# KiCad board SONATA-ONE.kicad_pcb (continued)
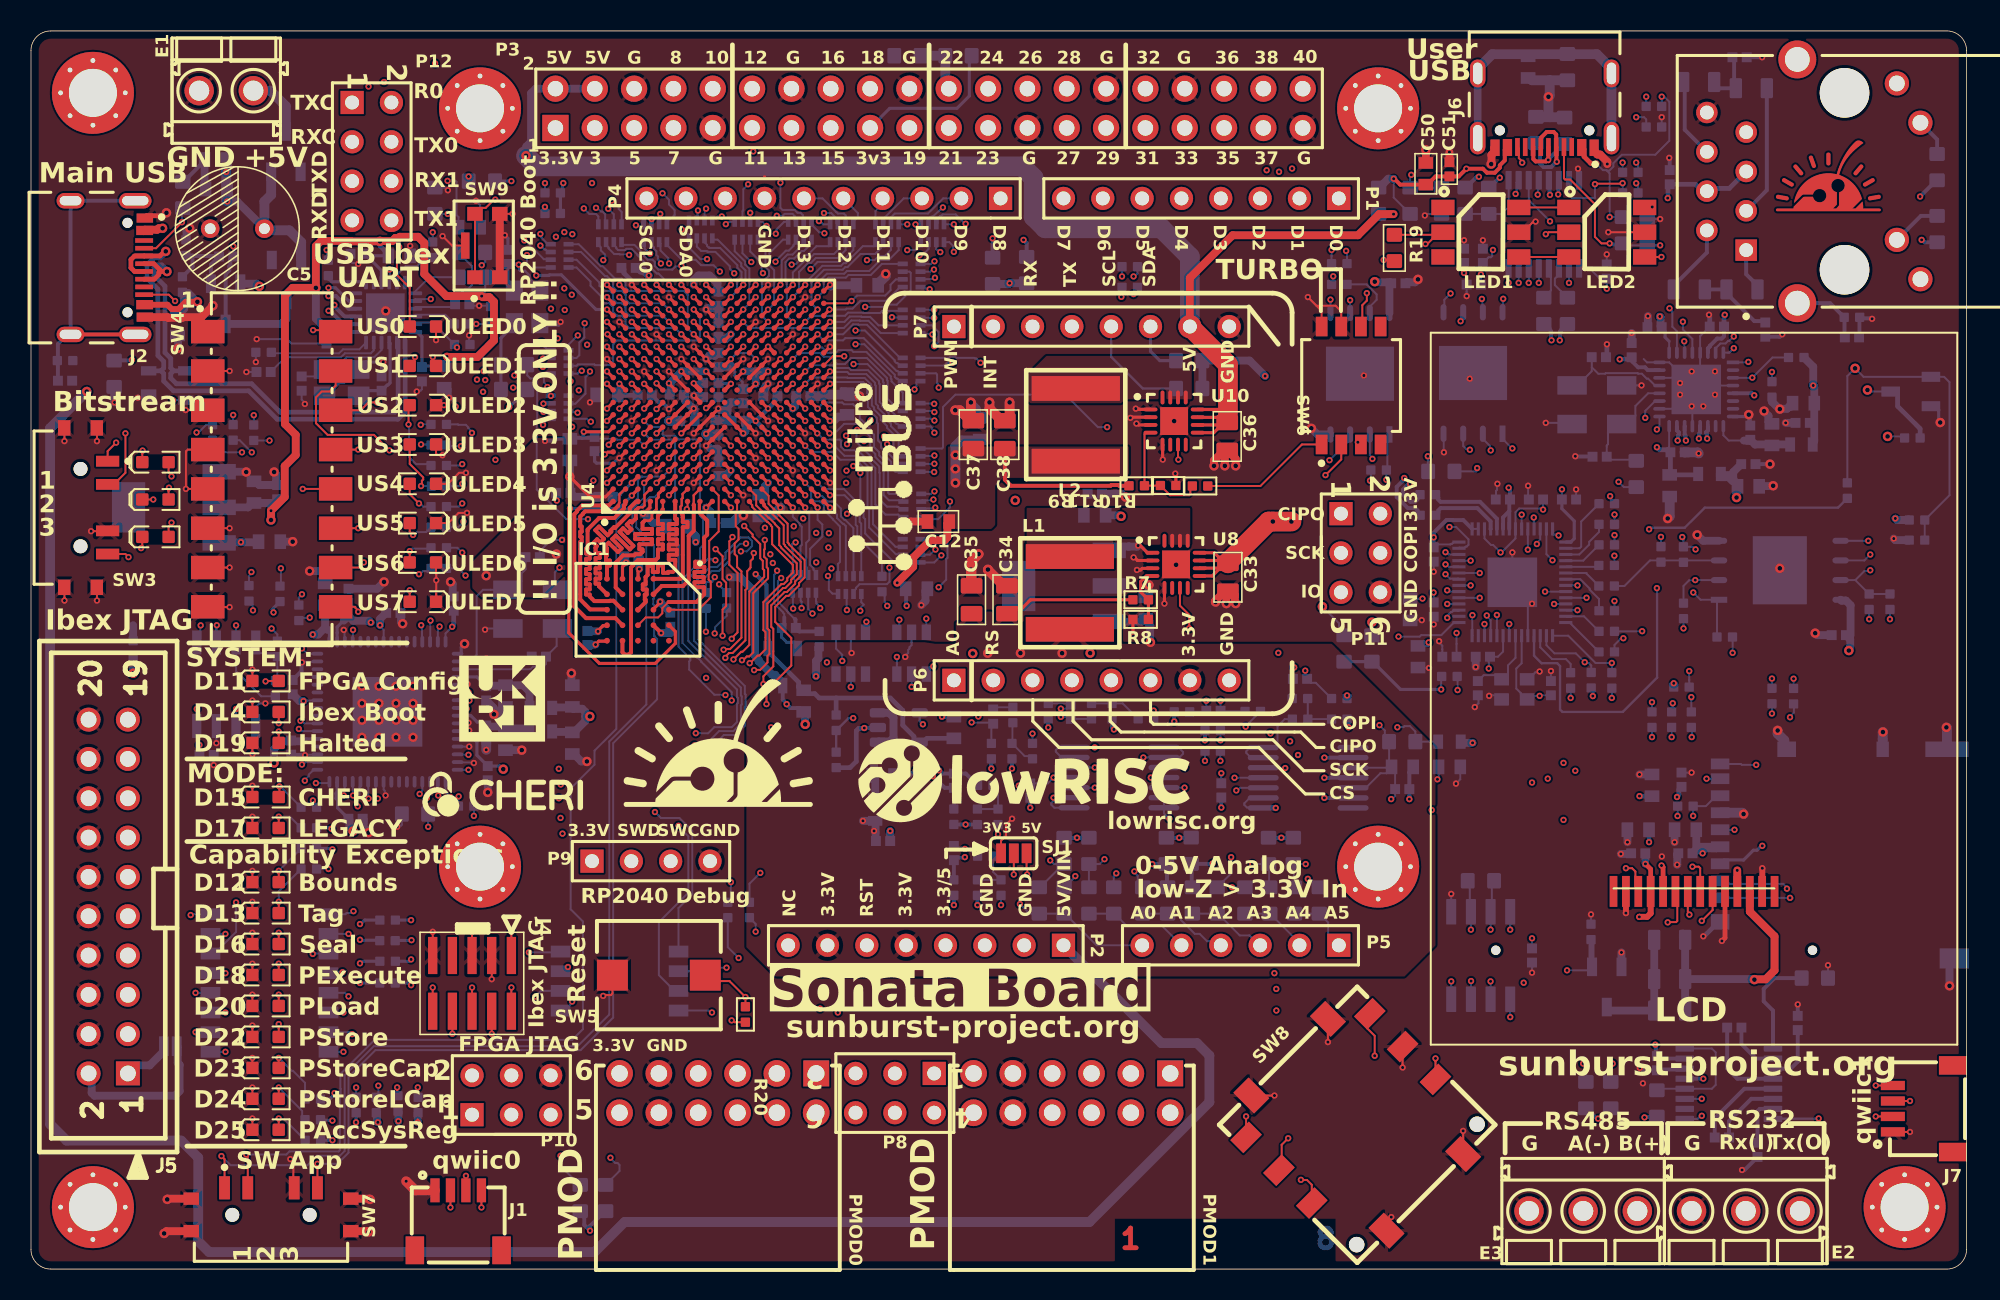
[diagram p0: board, top side]
## Nets (continued)
GND: C1.2 C2.2 C3.2 C5.2 C6.2 C7.2 C8.2 C9.2 C10.2 C11.2 C12.2 C13.2 C14.2 C15.2 C16.2 C17.2 C18.2 C19.2 C20.2 C21.2 C22.2 C23.2 C24.2 C25.2 C26.2 C27.2 C28.2 C29.2 C30.2 C31.2 C32.2 C33.2 C34.2 C35.2 C36.2 C37.2 C38.2 C39.2 C40.2 C41.2 C42.2 C43.2 C44.2 C45.2 C46.2 C47.2 C48.2 C50.2 C51.2 C52.2 C53.2 C54.2 C55.2 C56.2 C57.2 C58.2 C59.2 C62.2 C63.1 C64.1 C65.2 C66.2 C67.2 C68.2 C69.2 C70.2 C71.2 C72.2 C73.2 C74.2 C75.2 C76.2 C77.2 C78.2 C79.2 C80.2 C81.2 C82.2 C83.2 C84.2 C85.2 C86.2 C87.2 C88.2 C89.2 C90.2 C91.2 C92.2 C93.2 C94.2 C95.2 C96.2 C97.2 C99.2 C100.2 C101.2 C102.2 C108.2 C109.2 C110.2 C111.2 C112.2 C113.2 C114.2 C115.2 C116.2 C117.2 C118.2 C119.1 C120.2 C121.2 C122.2 C123.2 C124.2 C125.2 C126.2 C127.2 C128.2 C129.2 C130.2 C131.2 C132.2 C133.2 C134.2 C135.2 C136.2 C137.2 C138.2 C139.2 C141.2 C142.1 D3.K D4.K D5.K D6.K D7.K D8.K D9.K D10.K D11.K D12.K D13.K D14.K D15.K D16.K D17.K D18.K D19.K D20.K D22.K D23.K D24.K D25.K E1.A2 E2.A1 E3.A1 IC1.B3 IC1.C1 IC1.E5 J1.1 J2.A1-B12 J2.B1-A12 J3.8 J4.3 J4.5 J4.9 J5.4 J5.6 J5.8 J5.10 J5.12 J5.14 J5.16 J5.18 J5.20 J6.A1-B12 J6.B1-A12 J7.1 LCD1.2 LCD1.5 LCD1.13 LED1.5 LED2.5 P2.2 P2.3 P3.6 P3.9 P3.14 P3.20 P3.25 P3.30 P3.34 P3.39 P4.7 P6.8 P7.8 P9.4 P10.6 P11.6 PMOD0.5 PMOD0.11 PMOD1.5 PMOD1.11 Q2.2 Q3.2 Q4.1 Q5.1 R1.2 R3.2 R4.2 R8.2 R11.2 R13.2 R14.2 R16.2 R17.1 R24.2 R25.2 R28.2 R33.2 R35.1 R36.1 R38.2 R39.2 R43.2 R76.1 R80.2 R81.1 R87.1 R88.2 R90.1 R94.1 R95.2 R96.1 R101.1 R102.2 R103.1 R108.1 R109.2 R110.1 R115.1 R116.2 R117.1 R129.2 R133.2 R135.2 R167.1 R195.1 R205.2 R213.1 SD1.6 SD1.10 SD1.11 SD1.12 SD1.13 SD1.14 SW3.3 SW3.5 SW3.6 SW3.7 SW3.8 SW4.1 SW4.2 SW4.3 SW4.4 SW4.5 SW4.6 SW4.7 SW4.8 SW5.1 SW6.7 SW6.8 SW7.3 SW7.5 SW7.6 SW7.7 SW7.8 SW8.5 SW8.MP1 SW8.MP2 SW8.MP3 SW8.MP4 SW9.3 SW9.4 SW9.5 U1.1 U2.1 U3.5 U4.A2 U4.A12 U4.B5 U4.B15 U4.C8 U4.C18 U4.D1 U4.D11 U4.E4 U4.E14 U4.F7 U4.F9 U4.F11 U4.F17 U4.G8 U4.G10 U4.G12 U4.H3 U4.H7 U4.H9 U4.H11 U4.H13 U4.J6 U4.J8 U4.J12 U4.J16 U4.K7 U4.K11 U4.L2 U4.L8 U4.L12 U4.M5 U4.M7 U4.M9 U4.M11 U4.M15 U4.N8 U4.N10 U4.N12 U4.N18 U4.P1 U4.R4 U4.R14 U4.T7 U4.T17 U4.U10 U4.V3 U4.V13 U5.1 U5.5 U5.10 U5.11 U5.13 U5.15 U5.25 U5.35 U5.47 U5.51 U5.65 U6.4 U6.8 U6.13 U6.18 U6.22 U6.24 U6.29 U6.33 U7.14 U8.1 U8.2 U8.3 U8.5 U8.17 U9.1 U10.1 U10.2 U10.3 U10.5 U10.17 U11.19 U11.57 U12.25 U13.8 U14.3 U15.2 U16.5 U16.7 U17.4 U17.9 U18.4 U18.9 U19.4 U19.9 U20.11 U21.9 U21.11 U21.13 U22.2 U23.2 X1.2 X1.4 X2.2 X2.4 Y1.2 Y1.4 Y2.2 Y3.2 Y3.4
VCC1V8: C14.1 C15.1 C16.1 C17.1 C18.1 C19.1 C20.1 C31.1 C32.1 C53.1 C66.1 C67.1 C68.1 C123.1 C127.1 C131.1 C132.1 C133.1 IC1.B4 IC1.D1 IC1.E4 L8.1 R30.2 R32.2 R211.1 U4.A7 U4.C3 U4.D6 U4.E8 U4.F2 U4.F12 U4.G5 U4.H12 U4.J1 U4.K12 U4.M12 U6.5 U6.23 U6.25 U6.30 U9.2 U9.4 U13.9
VCC_1V8A: C124.1 C128.1 L8.2 U6.9
VCCINT: C6.1 C7.1 C8.1 C9.1 C10.1 C11.1 C12.1 C13.1 C37.1 C38.1 L2.2 R9.1 U4.F8 U4.F10 U4.G7 U4.G9 U4.G11 U4.H8 U4.J7 U4.J11 U4.K8 U4.L7 U4.L11 U4.M8 U4.M10 U4.N7 U4.N9 U4.N11
VCCOPAMP: C97.1 C99.1 C101.1 C102.1 R82.2 U20.4 U21.4 U21.10 U21.12
VCCUSB3V3: C40.1 C41.1 C42.1 C43.1 C44.1 C45.1 C46.1 R15.1 R18.1 R72.2 R203.2 U2.2 U2.4 U12.1 U12.9 U12.18
/AH_AN0: P5.6 P6.1 R75.1 R77.1
/AH_AN1: P5.5 R83.1 R84.1
/AH_AN2: P5.4 R89.1 R91.1
/AH_AN3: P5.3 R97.1 R98.1
/AH_AN4: P5.2 R104.1 R105.1
/AH_AN5: P5.1 R111.1 R112.1
/Analog Conversion/ANALOG0_N: C98.2 R81.2 U4.C5
/Analog Conversion/ANALOG0_P: C98.1 R79.2 U4.C6
/Analog Conversion/ANALOG1_N: C103.2 R90.2 U4.B6
/Analog Conversion/ANALOG1_P: C103.1 R86.2 U4.B7
/Analog Conversion/ANALOG2_N: C104.2 R96.2 U4.A5
/Analog Conversion/ANALOG2_P: C104.1 R93.2 U4.A6
/Analog Conversion/ANALOG3_N: C105.2 R103.2 U4.E5
/Analog Conversion/ANALOG3_P: C105.1 R100.2 U4.E6
/Analog Conversion/ANALOG4_N: C106.2 R110.2 U4.B4
/Analog Conversion/ANALOG4_P: C106.1 R107.2 U4.C4
/Analog Conversion/ANALOG5_N: C107.2 R117.2 U4.A3
/Analog Conversion/ANALOG5_P: C107.1 R114.2 U4.A4
/Analog Conversion/DIGITAL_ANALOG0: R77.2 U4.G13 U22.4
/Analog Conversion/DIGITAL_ANALOG1: R83.2 U4.D14 U22.6
/Analog Conversion/DIGITAL_ANALOG2: R89.2 U4.C14 U22.3
/Analog Conversion/DIGITAL_ANALOG3: R97.2 U4.C9 U22.1
/Analog Conversion/DIGITAL_ANALOG4: R104.2 U4.B9 U23.4
/Analog Conversion/DIGITAL_ANALOG5: R111.2 U4.B8 U23.6
/CHERIERR0: SW2.10
/CHERIERR1: SW2.9
/Debug USB and Power In/USB_N: J2.A7 J2.B7 U1.2 U12.19
/Debug USB and Power In/USB_P: J2.A6 J2.B6 U1.3 U12.20
/Debug USB and Power In/USB_VBUS: C1.1 J2.A4-B9 J2.B4-A9 Q1.2 R2.1 R12.2 R13.1 U1.4
/Ethernet MAC/ETHAVCC: C120.1 C126.1 C130.1 J3.4 J3.5 L9.2 U6.16
/Ethernet MAC/ETHCLK: R123.2 R124.1
/Ethernet MAC/ETHMAC_CIPO: U4.D4 U6.27
/Ethernet MAC/ETHMAC_COPI: U4.D5 U6.31
/Ethernet MAC/ETHMAC_CS: U4.H5 U6.26
/Ethernet MAC/ETHMAC_INTR: R211.2 U4.H6 U6.3
/Ethernet MAC/ETHMAC_LED0: R136.1 U6.1
/Ethernet MAC/ETHMAC_LED1: R137.1 U6.32
/Ethernet MAC/ETHMAC_RST: U4.J5 U6.19
/Ethernet MAC/ETHMAC_RX_N: J3.6 R204.2 U6.12
/Ethernet MAC/ETHMAC_RX_P: J3.3 R198.2 U6.11
/Ethernet MAC/ETHMAC_SCLK: U4.E3 U6.28
/Ethernet MAC/ETHMAC_TX_N: J3.2 R197.2 U6.15
/Ethernet MAC/ETHMAC_TX_P: J3.1 R196.2 U6.14
/FPGA Analog + 1.8V Bank/HYPERRAM_CK_N: IC1.B1 U4.G2
/FPGA Analog + 1.8V Bank/HYPERRAM_CK_P: IC1.B2 U4.H2
/FPGA Analog + 1.8V Bank/HYPERRAM_CS: IC1.A3 U4.J2
/FPGA Analog + 1.8V Bank/HYPERRAM_DQ0: IC1.D3 U4.B1
/FPGA Analog + 1.8V Bank/HYPERRAM_DQ1: IC1.D2 U4.E2
/FPGA Analog + 1.8V Bank/HYPERRAM_DQ2: IC1.C4 U4.H1
/FPGA Analog + 1.8V Bank/HYPERRAM_DQ3: IC1.D4 U4.A1
/FPGA Analog + 1.8V Bank/HYPERRAM_DQ4: IC1.D5 U4.E1
/FPGA Analog + 1.8V Bank/HYPERRAM_DQ5: IC1.E3 U4.B2
/FPGA Analog + 1.8V Bank/HYPERRAM_DQ6: IC1.E2 U4.C1
/FPGA Analog + 1.8V Bank/HYPERRAM_DQ7: IC1.E1 U4.D2
/FPGA Analog + 1.8V Bank/HYPERRAM_nRST: IC1.A4 U4.C2
/FPGA Analog + 1.8V Bank/HYPERRAM_RWDS: IC1.C3 U4.F1
/FPGA Analog + 1.8V Bank/MICROSD_DET: R166.1 SD1.9 U4.B3
/FPGA Analog + 1.8V Bank/NAVSW_0: SW8.1 U4.F5
/FPGA Analog + 1.8V Bank/NAVSW_1: SW8.4 U4.D8
/FPGA Analog + 1.8V Bank/NAVSW_2: SW8.2 U4.C7
/FPGA Analog + 1.8V Bank/NAVSW_3: SW8.3 U4.E7
/FPGA Analog + 1.8V Bank/NAVSW_4: SW8.6 U4.D7
/FPGA Analog + 1.8V Bank/SELSW0: SW7.1 U4.D3
/FPGA Analog + 1.8V Bank/SELSW1: SW7.2 U4.F4
/FPGA Analog + 1.8V Bank/SELSW2: SW7.4 U4.F3
/FPGA Analog + 1.8V Bank/USRUSB_OE: R30.1 U4.J3 U13.3
/FPGA Analog + 1.8V Bank/USRUSB_RCV: U4.J4 U13.4
/FPGA Analog + 1.8V Bank/USRUSB_SOFTCN: U4.H4 U13.2
/FPGA Analog + 1.8V Bank/USRUSB_SPD: U4.G1 U13.10
/FPGA Analog + 1.8V Bank/USRUSB_SUS: R32.1 U4.K2 U13.7
/FPGA Analog + 1.8V Bank/USRUSB_V_N: U4.F6 U13.6
/FPGA Analog + 1.8V Bank/USRUSB_V_P: U4.G6 U13.5
/FPGA Analog + 1.8V Bank/USRUSB_VBUSDETECT: R23.2 R25.1 U4.K1
/FPGA Analog + 1.8V Bank/USRUSB_VMO: U4.G3 U13.14
/FPGA Analog + 1.8V Bank/USRUSB_VPO: U4.G4 U13.13
/FPGA Analog + 1.8V Bank/XADC_VREF_N: C60.2 C140.2 R195.2 U4.J9
/FPGA Analog + 1.8V Bank/XADC_VREF_P: C60.1 C140.1 U4.K10 U14.2
/FPGA Config/CHA_TCK: SW1.3 U5.16
/FPGA Config/CHA_TDI: SW1.1 U5.17
/FPGA Config/CHA_TDO: SW1.2 U5.18
/FPGA Config/CHA_TMS: SW1.4 U5.19
/FPGA Config/FPGA_CCLK: R65.1 U4.E9
/FPGA Config/FPGA_DONE: R134.2 U4.P10 U11.9
/FPGA Config/FPGA_INITB: R5.2 U4.P7 U11.11
/FPGA Config/FPGA_PGMB: R6.2 U4.P9 U11.12
/FPGA Config/FPGA_TCK: P10.3 R119.2 SW1.6 U4.E10
/FPGA Config/FPGA_TDI: P10.1 R118.2 SW1.8 U4.E11
/FPGA Config/FPGA_TDO: P10.4 R120.2 SW1.7 U4.E13
/FPGA Config/FPGA_TMS: P10.5 R121.2 SW1.5 U4.E12
/FPGA Config/MAINCLK: R122.2 U4.P15
/FTDI Debug/CHB_GPIOL2: SW2.7 U5.33
/FTDI Debug/CHB_GPIOL3: SW2.8 U5.34
/FTDI Debug/CHB_nRST: SW2.5 U5.30
/FTDI Debug/CHB_nSRST: SW2.6 U5.32
/FTDI Debug/CHB_TCK: SW2.1 U5.26
/FTDI Debug/CHB_TDI: SW2.2 U5.27
/FTDI Debug/CHB_TDO: SW2.3 U5.28
/FTDI Debug/CHB_TMS: SW2.4 U5.29
/FTDI Debug/CHC_RXD: P12.3 U5.39
/FTDI Debug/CHC_TXD: P12.1 U5.38
/FTDI Debug/CHD_RXD: P12.7 U5.52
/FTDI Debug/CHD_TXD: P12.5 U5.48
/FTDI Debug/FTDI_N: U5.7 U12.2
/FTDI Debug/FTDI_NRST: R42.2 R73.2
/FTDI Debug/FTDI_P: U5.8 U12.3
/Header Pins/AH_TMPIO0: P1.1 R188.1B
/Header Pins/AH_TMPIO1: P1.2 R188.2B
/Header Pins/AH_TMPIO2: P1.3 R188.3B
/Header Pins/AH_TMPIO3: P1.4 R188.4B
/Header Pins/AH_TMPIO4: P1.5 R189.1B
/Header Pins/AH_TMPIO5: P1.6 R189.2B
/Header Pins/AH_TMPIO6: P1.7 R189.3B
/Header Pins/AH_TMPIO7: P1.8 R189.4B
/Header Pins/AH_TMPIO8: P4.1 R190.1B
/Header Pins/AH_TMPIO9: P4.2 R190.2B
/Header Pins/AH_TMPIO10: P4.3 R190.3B
/Header Pins/AH_TMPIO11: P4.4 R190.4B
/Header Pins/AH_TMPIO12: P4.5 R191.1B
/Header Pins/AH_TMPIO13: P4.6 R191.2B
/Header Pins/AH_TMPIO14: P11.1 R191.3B
/Header Pins/AH_TMPIO15: P11.3 R191.4B
/Header Pins/AH_TMPIO16: P11.5 R168.2
/Header Pins/AH_TMPIO17: P11.4 R169.2
/Header Pins/MB0: P6.2 R178.1B
/Header Pins/MB1: P6.3 R178.2B
/Header Pins/MB2: P6.4 R178.3B
/Header Pins/MB3: P6.5 R178.4B
/Header Pins/MB4: P6.6 R180.1B
/Header Pins/MB5: P7.6 R180.2B R209.2
/Header Pins/MB6: P7.5 R180.3B R208.2
/Header Pins/MB7: P7.4 R180.4B
/Header Pins/MB8: P7.3 R184.1B
/Header Pins/MB9: P7.2 R184.2B
/Header Pins/MB10: P7.1 R184.3B
/Header Pins/PMOD0_1: PMOD0.1 R174.1B
/Header Pins/PMOD0_2: PMOD0.2 R174.2B
/Header Pins/PMOD0_3: PMOD0.3 R174.3B
/Header Pins/PMOD0_4: PMOD0.4 R174.4B
/Header Pins/PMOD0_5: PMOD0.7 R176.1B
/Header Pins/PMOD0_6: PMOD0.8 R176.2B
/Header Pins/PMOD0_7: PMOD0.9 R176.3B
/Header Pins/PMOD0_8: PMOD0.10 R176.4B
/Header Pins/PMOD1_1: PMOD1.1 R172.1B
/Header Pins/PMOD1_2: PMOD1.2 R172.2B
/Header Pins/PMOD1_3: PMOD1.3 R172.3B
/Header Pins/PMOD1_4: PMOD1.4 R172.4B
/Header Pins/PMOD1_5: PMOD1.7 R173.1B
/Header Pins/PMOD1_6: PMOD1.8 R173.2B
/Header Pins/PMOD1_7: PMOD1.9 R173.3B
/Header Pins/PMOD1_8: PMOD1.10 R173.4B
/Header Pins/PMODC_1: P8.1 R194.4B
/Header Pins/PMODC_2: P8.2 R186.2
/Header Pins/PMODC_3: P8.3 R187.2
/Header Pins/PMODC_4: P8.4 R194.1B
/Header Pins/PMODC_5: P8.5 R194.2B
/Header Pins/PMODC_6: P8.6 R194.3B
/Header Pins/RPH_G0: P3.27 R179.4B
/Header Pins/RPH_G1: P3.28 R183.4B
/Header Pins/RPH_G2: P3.3 R175.3B R206.1
/Header Pins/RPH_G3: P3.5 R175.4B R207.1
/Header Pins/RPH_G4: P3.7 R177.1B
/Header Pins/RPH_G5: P3.29 R181.1B
/Header Pins/RPH_G6: P3.31 R181.2B
/Header Pins/RPH_G7: P3.26 R183.3B
/Header Pins/RPH_G8: P3.24 R183.2B
/Header Pins/RPH_G9: P3.21 R179.2B
/Header Pins/RPH_G10: P3.19 R179.1B
/Header Pins/RPH_G11: P3.23 R179.3B
/Header Pins/RPH_G12: P3.32 R185.1B
/Header Pins/RPH_G13: P3.33 R181.3B
/Header Pins/RPH_G16: P3.36 R185.2B
/Header Pins/RPH_G17: P3.11 R177.2B
/Header Pins/RPH_G18: P3.12 R182.2B
/Header Pins/RPH_G19: P3.35 R181.4B
/Header Pins/RPH_G20: P3.38 R185.3B
/Header Pins/RPH_G21: P3.40 R185.4B
/Header Pins/RPH_G22: P3.15 R177.4B
/Header Pins/RPH_G23: P3.16 R182.3B
/Header Pins/RPH_G24: P3.18 R182.4B
/Header Pins/RPH_G25: P3.22 R183.1B R212.1 R213.2
/Header Pins/RPH_G26: P3.37 R182.1B
/Header Pins/RPH_G27: P3.13 R177.3B
/Header Pins/RPH_RXD0: P3.10 R175.1B
/Header Pins/RPH_TXD0: P3.8 R175.2B
/Header Pins/SCL0: J1.4 P4.10 R126.2 R170.2B
/Header Pins/SCL1: J7.4 R128.2 R170.4B
/Header Pins/SDA0: J1.3 P4.9 R125.2 R170.1B
/Header Pins/SDA1: J7.3 R127.2 R170.3B
/Header Pins/SER0_RX: P12.2 U4.D18
/Header Pins/SER0_TX: P12.4 U4.C17
/Header Pins/SER1_RX: P12.6 U4.G18
/Header Pins/SER1_TX: P12.8 U4.E18
/IO Banks 14 + 34 + Flash/232_RX: U4.N6 U7.9
/IO Banks 14 + 34 + Flash/232_TX: U4.P3 U7.11
/IO Banks 14 + 34 + Flash/485_DE: U3.3 U4.M4
/IO Banks 14 + 34 + Flash/485_DI: U3.4 U4.M6
/IO Banks 14 + 34 + Flash/485_REn: U3.2 U4.N4
/IO Banks 14 + 34 + Flash/485_RO: U3.1 U4.R2
/IO Banks 14 + 34 + Flash/APPSPI_CLK: R52.2 U4.A8
/IO Banks 14 + 34 + Flash/APPSPI_CS: R50.2 U4.D10
/IO Banks 14 + 34 + Flash/APPSPI_D0: R47.1 U4.C11
/IO Banks 14 + 34 + Flash/APPSPI_D1: R48.1 U4.C10
/IO Banks 14 + 34 + Flash/APPSPI_D2: R49.1 U4.A10
/IO Banks 14 + 34 + Flash/APPSPI_D3: R51.1 U4.A9
/IO Banks 14 + 34 + Flash/CHERIERR0: R139.1 U4.K6
/IO Banks 14 + 34 + Flash/CHERIERR1: R141.1 U4.L1
/IO Banks 14 + 34 + Flash/CHERIERR2: R143.1 U4.M1
/IO Banks 14 + 34 + Flash/CHERIERR3: R145.1 U4.K3
/IO Banks 14 + 34 + Flash/CHERIERR4: R146.1 U4.L3
/IO Banks 14 + 34 + Flash/CHERIERR5: R148.1 U4.N2
/IO Banks 14 + 34 + Flash/CHERIERR6: R150.1 U4.N1
/IO Banks 14 + 34 + Flash/CHERIERR7: R152.1 U4.M3
/IO Banks 14 + 34 + Flash/CHERIERR8: R154.1 U4.M2
/IO Banks 14 + 34 + Flash/FPGAIO_TURBO: SW6.2 U4.T4
/IO Banks 14 + 34 + Flash/LCD_BACKLIGHT: Q2.1 R133.1 U4.N5
/IO Banks 14 + 34 + Flash/LCD_CLK: LCD1.9 U4.R5
/IO Banks 14 + 34 + Flash/LCD_COPI: LCD1.8 U4.R3
/IO Banks 14 + 34 + Flash/LCD_CS: LCD1.12 U4.P5
/IO Banks 14 + 34 + Flash/LCD_DC: LCD1.7 U4.U4
/IO Banks 14 + 34 + Flash/LCD_RST: LCD1.6 U4.R6
/IO Banks 14 + 34 + Flash/LED_BOOTOK: R158.1 U4.L5
/IO Banks 14 + 34 + Flash/LED_CHERI: R155.1 U4.L4
/IO Banks 14 + 34 + Flash/LED_HALTED: R159.1 U4.L6
/IO Banks 14 + 34 + Flash/LED_LEGACY: R157.1 U4.K5
/IO Banks 14 + 34 + Flash/MICROSD_CLK: R162.1 SD1.5 U4.U6
/IO Banks 14 + 34 + Flash/MICROSD_CMD: R163.1 SD1.3 U4.R8
/IO Banks 14 + 34 + Flash/MICROSD_DAT0: R161.1 SD1.7 U4.V4
/IO Banks 14 + 34 + Flash/MICROSD_DAT1: R160.1 SD1.8 U4.R7
/IO Banks 14 + 34 + Flash/MICROSD_DAT2: R165.1 SD1.1 U4.V5
/IO Banks 14 + 34 + Flash/MICROSD_DAT3: R164.1 SD1.2 U4.T8
/IO Banks 14 + 34 + Flash/QSPI_CS: R50.1 R57.1 U17.1
/IO Banks 14 + 34 + Flash/QSPI_D0: R47.2 R60.1 U17.5
/IO Banks 14 + 34 + Flash/QSPI_D1: R48.2 R55.1 U17.2
/IO Banks 14 + 34 + Flash/QSPI_D2: R46.2 R49.2 R61.1 U17.3
/IO Banks 14 + 34 + Flash/QSPI_D3: R45.2 R51.2 R63.1 U17.7
/IO Banks 14 + 34 + Flash/QSPI_SCLK: R52.1 R59.1 U17.6
/IO Banks 14 + 34 + Flash/RP2040_CLK: R70.1 U4.T14
/IO Banks 14 + 34 + Flash/RP2040_PREQ: R171.2 U11.8
/IO Banks 14 + 34 + Flash/RP2040_RX: R68.1 U4.M17
/IO Banks 14 + 34 + Flash/RP2040_SPARE: R69.1 U4.P4
/IO Banks 14 + 34 + Flash/RP2040_TX: R66.1 U4.K18
/IO Banks 15 + 16/RGBLED0: Q3.1 R193.2 R205.1 R210.1 U4.D9
/IO Banks 15 + 16/USRLED0: R138.1 U4.B13
/IO Banks 15 + 16/USRLED1: R140.1 U4.B14
/IO Banks 15 + 16/USRLED2: R142.1 U4.C12
/IO Banks 15 + 16/USRLED3: R144.1 U4.B12
/IO Banks 15 + 16/USRLED4: R147.1 U4.B11
/IO Banks 15 + 16/USRLED5: R149.1 U4.A11
/IO Banks 15 + 16/USRLED6: R151.1 U4.F13
/IO Banks 15 + 16/USRLED7: R153.1 U4.F14
/IO Banks 15 + 16/USRSW0: SW4.16 U4.D12
/IO Banks 15 + 16/USRSW1: SW4.15 U4.D13
/IO Banks 15 + 16/USRSW2: SW4.14 U4.B16
/IO Banks 15 + 16/USRSW3: SW4.13 U4.B17
/IO Banks 15 + 16/USRSW4: SW4.12 U4.A15
/IO Banks 15 + 16/USRSW5: SW4.11 U4.A16
/IO Banks 15 + 16/USRSW6: SW4.10 U4.A13
/IO Banks 15 + 16/USRSW7: SW4.9 U4.A14
/PWRIN_5V: C2.1 C3.1 C5.1 C33.1 C36.1 C39.1 P2.1 P3.2 P3.4 P7.7 Q4.2 Q5.2 R19.2 R41.2 SJ1.3 U2.3 U8.9 U8.10 U8.11 U8.12 U10.9 U10.10 U10.11 U10.12
/RP2040/RP2040_LED0: D26.K U11.38
/RP2040/RP2040_LED1: D27.K U11.37
/RP2040/RP2040_LED2: D28.K U11.36
/RP2040/RP2040_N: R58.1 U12.4
/RP2040/RP2040_NRST: R71.1 R74.2 U11.26
/RP2040/RP2040_P: R56.1 U12.5
/RP2040/RP2040_SW0: SW3.1 U11.41
/RP2040/RP2040_SW1: SW3.2 U11.40
/RP2040/RP2040_SW2: SW3.4 U11.39
/RP2040/RP_N: R58.2 U11.46
/RP2040/RP_P: R56.2 U11.47
/RP2040_LED3: R156.1 U11.29
/RP2040_RGBLED0: R210.2 U11.18
/SMPS/USB_nSUSPEND: R14.1 SW6.6 U12.17
/USB Phy/USBC_3_D_N: J6.A7 J6.B7 R29.1 R34.1 R35.2
/USB Phy/USBC_3_D_P: J6.A6 J6.B6 R27.1 R31.1 R36.2
/USB Phy/USBC_F_D_N: R29.2 U13.11
/USB Phy/USBC_F_D_P: R27.2 U13.12
/USR_JTAG_TCK: J4.4 J5.9 J5.11 SW2.16 U4.E15
/USR_JTAG_TDI: J4.8 J5.5 SW2.15 U4.G17
/USR_JTAG_TDO: J4.6 J5.13 SW2.14 U4.J14
/USR_JTAG_TMS: J4.2 J5.7 SW2.13 U4.H15
/USR_JTAG_TRST: J5.3 SW2.11 U4.C16
NRST: J4.10 J5.15 P2.6 R20.2 SW2.12 SW5.2 U4.T5 U11.28
Net-(C50-Pad1): C50.1 C51.1 J6.A4-B9 J6.B4-A9 R22.1 R23.1 R26.1 R41.1
Net-(C119-Pad2): C119.2 R198.1 R204.1
Net-(C142-Pad2): C142.2 R196.1 R197.1
Net-(D3-PadA): D3.A R138.2
Net-(D4-PadA): D4.A R140.2
Net-(D5-PadA): D5.A R142.2
Net-(D6-PadA): D6.A R144.2
Net-(D7-PadA): D7.A R147.2
Net-(D8-PadA): D8.A R149.2
Net-(D9-PadA): D9.A R151.2
Net-(D10-PadA): D10.A R153.2
Net-(D11-PadA): D11.A R156.2
Net-(D12-PadA): D12.A R139.2
Net-(D13-PadA): D13.A R141.2
Net-(D14-PadA): D14.A R158.2
Net-(D15-PadA): D15.A R155.2
Net-(D16-PadA): D16.A R143.2
Net-(D17-PadA): D17.A R157.2
Net-(D18-PadA): D18.A R145.2
Net-(D19-PadA): D19.A R159.2
Net-(D20-PadA): D20.A R146.2
Net-(D22-PadA): D22.A R148.2
Net-(D23-PadA): D23.A R150.2
Net-(D24-PadA): D24.A R152.2
Net-(D25-PadA): D25.A R154.2
Net-(D26-PadA): D26.A R200.1
Net-(D27-PadA): D27.A R201.1
Net-(D28-PadA): D28.A R202.1
Net-(J2-CC1): J2.A5 R1.1
Net-(J2-CC2): J2.B5 R4.1
Net-(J2-MNT_1): C116.1 J2.1 J2.2 J2.3 J2.4 R129.1
Net-(J3A-MNT_1): C118.1 J3.13 J3.14 R135.1
Net-(J3B-GREEN_C): J3.10 R136.2
Net-(J3C-YELLOW_CATHODE): J3.11 R137.2
Net-(J5-Pad2): J5.2 SJ2.2
Net-(J6-CC1): J6.A5 R22.2 R24.1
Net-(J6-CC2): J6.B5 R26.2 R28.1
Net-(J6-MNT_1): C52.1 J6.1 J6.2 J6.3 J6.4 R33.1
Net-(L1-Pad1): L1.1 U8.13 U8.14 U8.15
Net-(L2-Pad1): L2.1 U10.13 U10.14 U10.15
Net-(L7-Pad2): L7.2 R82.1
Net-(LCD1-LEDK): LCD1.3 R130.1 R131.1 R132.1
Net-(LED1-BI): LED1.6 LED2.1
Net-(LED1-DI): LED1.4 LED2.3
Net-(LED1-VCC): LED1.2 LED2.2 R19.1 R192.1
Net-(LED2-BI): LED2.4 LED2.6 Q3.3 R192.2
Net-(P2-Pad4): P2.4 SJ1.2
Net-(Q1-D): C4.1 Q1.3 Q5.3
Net-(Q1-G): C4.2 Q1.1 R2.2 R3.1
Net-(Q2-D): Q2.3 R130.2 R131.2 R132.2
Net-(Q4-D): E1.A1 Q4.3
Net-(R10-Pad2): R10.2 SW6.1
Net-(R53-Pad2): R53.2 SW9.1 SW9.2
Net-(R78-Pad2): R78.2 R79.1 R80.1
Net-(R85-Pad2): R85.2 R86.1 R88.1
Net-(R92-Pad2): R92.2 R93.1 R95.1
Net-(R100-Pad1): R99.2 R100.1 R102.1
Net-(R106-Pad2): R106.2 R107.1 R109.1
Net-(R113-Pad2): R113.2 R114.1 R116.1
Net-(U3-A/Y): E3.A2 R40.2 U3.6
Net-(U3-B/Z): E3.A3 R40.1 U3.7
Net-(U4A-IO_0_14): R183.3A U4.R11
Net-(U4A-IO_25_14): R189.1A U4.R10
Net-(U4A-IO_L1P_T0_D00_MOSI_14): R175.2A U4.K17
Net-(U4A-IO_L2N_T0_D03_14): R177.2A U4.M14
Net-(U4A-IO_L2P_T0_D02_14): R177.3A U4.L14
Net-(U4A-IO_L3N_T0_DQS_EMCCLK_14): R177.4A U4.L16
Net-(U4A-IO_L3P_T0_DQS_PUDC_B_14): R183.1A U4.L15
Net-(U4A-IO_L4N_T0_D05_14): R189.4A U4.M18
Net-(U4A-IO_L4P_T0_D04_14): R175.1A U4.L18
Net-(U4A-IO_L5N_T0_D07_14): R181.3A U4.R13
Net-(U4A-IO_L5P_T0_D06_14): R188.3A U4.R12
Net-(U4A-IO_L6N_T0_D08_VREF_14): R169.1 U4.M13
Net-(U4A-IO_L6P_T0_FCS_B_14): R175.3A U4.L13
Net-(U4A-IO_L7N_T1_D10_14): R190.4A U4.T18
Net-(U4A-IO_L7P_T1_D09_14): R191.3A U4.R18
Net-(U4A-IO_L8N_T1_D12_14): R191.4A U4.P14
Net-(U4A-IO_L8P_T1_D11_14): R182.3A U4.N14
Net-(U4A-IO_L9N_T1_DQS_D13_14): R182.2A U4.P18
Net-(U4A-IO_L9P_T1_DQS_14): R168.1 U4.N17
Net-(U4A-IO_L10P_T1_D14_14): R175.4A U4.M16
Net-(U4A-IO_L11N_T1_SRCC_14): R182.4A U4.N16
Net-(U4A-IO_L11P_T1_SRCC_14): R177.1A U4.N15
Net-(U4A-IO_L12N_T1_MRCC_14): R191.2A U4.R17
Net-(U4A-IO_L12P_T1_MRCC_14): R179.3A U4.P17
Net-(U4A-IO_L13N_T2_MRCC_14): R182.1A U4.R15
Net-(U4A-IO_L14N_T2_SRCC_14): R183.4A U4.T15
Net-(U4A-IO_L15N_T2_DQS_DOUT_CSO_B_14): R190.2A U4.T16
Net-(U4A-IO_L15P_T2_DQS_RDWR_B_14): R191.1A U4.R16
Net-(U4A-IO_L16N_T2_A15_D31_14): R179.1A U4.V16
Net-(U4A-IO_L16P_T2_CSI_B_14): R183.2A U4.V15
Net-(U4A-IO_L17N_T2_A13_D29_14): R190.1A U4.U18
Net-(U4A-IO_L17P_T2_A14_D30_14): R179.4A U4.U17
Net-(U4A-IO_L18N_T2_A11_D27_14): R179.2A U4.V17
Net-(U4A-IO_L18P_T2_A12_D28_14): R190.3A U4.U16
Net-(U4A-IO_L19N_T3_A09_D25_VREF_14): R189.3A U4.U11
Net-(U4A-IO_L19P_T3_A10_D26_14): R188.1A U4.T11
Net-(U4A-IO_L20N_T3_A07_D23_14): R189.2A U4.V12
Net-(U4A-IO_L20P_T3_A08_D24_14): R188.2A U4.U12
Net-(U4A-IO_L21N_T3_DQS_A06_D22_14): R185.4A U4.V11
Net-(U4A-IO_L21P_T3_DQS_14): R185.1A U4.V10
Net-(U4A-IO_L22N_T3_A04_D20_14): R181.4A U4.V14
Net-(U4A-IO_L22P_T3_A05_D21_14): R181.2A U4.U14
Net-(U4A-IO_L23N_T3_A02_D18_14): R188.4A U4.U13
Net-(U4A-IO_L23P_T3_A03_D19_14): R181.1A U4.T13
Net-(U4A-IO_L24N_T3_A00_D16_14): R185.3A U4.T10
Net-(U4A-IO_L24P_T3_A01_D17_14): R185.2A U4.T9
Net-(U4B-IO_25_15): R187.1 U4.K16
Net-(U4B-IO_L10N_T1_AD11N_15): R172.3A U4.A18
Net-(U4B-IO_L10P_T1_AD11P_15): R172.1A U4.B18
Net-(U4B-IO_L11N_T1_SRCC_15): R172.2A U4.E16
Net-(U4B-IO_L12N_T1_MRCC_15): R173.2A U4.C15
Net-(U4B-IO_L12P_T1_MRCC_15): R173.1A U4.D15
Net-(U4B-IO_L13N_T2_MRCC_15): R173.4A U4.G16
Net-(U4B-IO_L13P_T2_MRCC_15): R173.3A U4.H16
Net-(U4B-IO_L14N_T2_SRCC_15): R174.2A U4.F16
Net-(U4B-IO_L14P_T2_SRCC_15): R174.3A U4.F15
Net-(U4B-IO_L15N_T2_DQS_ADV_B_15): R174.4A U4.G14
Net-(U4B-IO_L15P_T2_DQS_15): R174.1A U4.H14
Net-(U4B-IO_L16N_T2_A27_15): R176.3A U4.D17
Net-(U4B-IO_L16P_T2_A28_15): R176.2A U4.E17
Net-(U4B-IO_L17N_T2_A25_15): R176.1A U4.J13
Net-(U4B-IO_L17P_T2_A26_15): R176.4A U4.K13
Net-(U4B-IO_L18P_T2_A24_15): R172.4A U4.H17
Net-(U4B-IO_L22N_T3_A16_15): R194.2A U4.F18
Net-(U4B-IO_L23N_T3_FWE_B_15): R194.1A U4.J18
Net-(U4B-IO_L23P_T3_FOE_B_15): R194.3A U4.J17
Net-(U4B-IO_L24N_T3_RS0_15): R186.1 U4.J15
Net-(U4B-IO_L24P_T3_RS1_15): R194.4A U4.K15
Net-(U4D-IO_25_34): R184.1A U4.U8
Net-(U4D-IO_L7N_T1_34): R180.2A U4.V1
Net-(U4D-IO_L7P_T1_34): R178.4A U4.U1
Net-(U4D-IO_L8N_T1_34): R171.1 U4.U3
Net-(U4D-IO_L9N_T1_DQS_34): R180.4A U4.V2
Net-(U4D-IO_L9P_T1_DQS_34): R180.3A U4.U2
Net-(U4D-IO_L11N_T1_SRCC_34): R180.1A U4.T3
Net-(U4D-IO_L15P_T2_DQS_34): R178.1A U4.P2
Net-(U4D-IO_L17N_T2_34): R178.3A U4.T1
Net-(U4D-IO_L17P_T2_34): R178.2A U4.R1
Net-(U4D-IO_L20N_T3_34): R184.3A U4.V6
Net-(U4D-IO_L20P_T3_34): R170.3A U4.V7
Net-(U4D-IO_L21N_T3_DQS_34): R170.2A U4.V9
Net-(U4D-IO_L21P_T3_DQS_34): R170.4A U4.U9
Net-(U4D-IO_L22P_T3_34): R170.1A U4.U7
Net-(U4D-IO_L23N_T3_34): R184.2A U4.T6
Net-(U5-OSCI): C77.1 U5.2 Y1.1
Net-(U5-OSCO): C78.1 U5.3 Y1.3
Net-(U5-REF): R43.1 U5.6
Net-(U5-RESET#): R42.1 U5.14
Net-(U5-VPHY): C73.1 C74.1 L6.2 U5.4
Net-(U5-VPLL): C70.1 C71.1 L5.2 U5.9
Net-(U6-ISET): R167.2 U6.17
Net-(U6-X1): C108.1 R124.2 U6.20 Y3.1
Net-(U6-X2): C109.1 U6.21 Y3.3
Net-(U7-C1+): C61.2 U7.2
Net-(U7-C1-): C61.1 U7.4
Net-(U7-C2+): C49.1 U7.5
Net-(U7-C2-): C49.2 U7.6
Net-(U7-DOUT): E2.A3 U7.13
Net-(U7-FORCEON): R21.1 U7.12 U7.16
Net-(U7-RIN): E2.A2 U7.8
Net-(U7-V+): C63.2 U7.3
Net-(U7-V-): C62.1 U7.7
Net-(U7-~{EN}): R39.1 U7.1
Net-(U8-FB): R7.2 R8.1 U8.4
Net-(U10-EN): R15.2 SW6.3 U8.7 U10.7
Net-(U10-FB): R9.2 R10.1 R11.1 U10.4
Net-(U11-DVDD_1): C81.1 C84.1 C85.1 U11.23 U11.45 U11.50
Net-(U11-GPIO0): R55.2 U11.2
Net-(U11-GPIO1): R57.2 U11.3
Net-(U11-GPIO2): R59.2 U11.4
Net-(U11-GPIO3): R60.2 U11.5
Net-(U11-GPIO4): R61.2 U11.6
Net-(U11-GPIO5): R63.2 U11.7
Net-(U11-GPIO10): R65.2 U11.13
Net-(U11-GPIO11): R66.2 U11.14
Net-(U11-GPIO12): R68.2 U11.15
Net-(U11-GPIO13): R69.2 U11.16
Net-(U11-GPIO14): R70.2 U11.17
Net-(U11-GPIO20): U11.31 U19.2
Net-(U11-GPIO21): R67.1 U11.32 U19.1
Net-(U11-GPIO22): U11.34 U19.6
Net-(U11-GPIO23): U11.35 U19.5
Net-(U11-QSPI_SCLK): U11.52 U18.6
Net-(U11-QSPI_SD0): U11.53 U18.5
Net-(U11-QSPI_SD1): U11.55 U18.2
Net-(U11-QSPI_SD2): U11.54 U18.3
Net-(U11-QSPI_SD3): U11.51 U18.7
Net-(U11-QSPI_SS_N): R53.1 R54.2 U11.56 U18.1
Net-(U11-SWCLK): P9.3 U11.24
Net-(U11-SWDIO): P9.2 U11.25
Net-(U11-XIN): C92.1 U11.20 X2.1
Net-(U11-XOUT): C93.1 U11.21 X2.3
Net-(U12-CRFILT): C47.1 U12.10
Net-(U12-PLLFILT): C48.1 U12.23
Net-(U12-PRTPWR1/(BC_EN1)): R73.1 U12.7
Net-(U12-PRTPWR2): R74.1 U12.11
Net-(U12-RBIAS): R16.1 U12.24
Net-(U12-SMBCLK/CFG_SEL0): R17.2 U12.14
Net-(U12-SMBDATA/NON_REM1): R18.2 U12.13
Net-(U12-VBUS_DET): R12.1 U12.16
Net-(U12-XTALIN/CLKIN): C95.1 U12.22 X1.3
Net-(U12-XTALOUT/(CLKIN_EN)): C96.1 U12.21 X1.1
Net-(U12-~{RESET}): C94.1 R72.1 U12.15
Net-(U13B-VPU_33): R31.2 R34.2 U13.1
Net-(U15-ADJ): R37.2 R38.1 U15.4
Net-(U15-ENA): C57.1 L3.2 U15.1 U15.3
Net-(U16-CS): U5.63 U16.1
Net-(U16-DI): R44.1 U5.61 U16.3
Net-(U16-DO): R44.2 R199.2 U16.4
Net-(U16-SK): U5.62 U16.2
Net-(U19-DQ3/~{HOLD}): R62.2 U19.7
Net-(U19-~{W}/DQ2): R64.2 U19.3
Net-(U20A-VINA+): R75.2 R76.2 U20.3
Net-(U20A-VINA-): R78.1 U20.1 U20.2
Net-(U20B-VINB+): R84.2 R87.2 U20.5
Net-(U20B-VINB-): R85.1 U20.6 U20.7
Net-(U20C-VINC+): R91.2 R94.2 U20.10
Net-(U20C-VINC-): R92.1 U20.8 U20.9
Net-(U20D-VIND+): R98.2 R101.2 U20.12
Net-(U20D-VIND-): R99.1 U20.13 U20.14
Net-(U21A-VINA+): R105.2 R108.2 U21.3
Net-(U21A-VINA-): R106.1 U21.1 U21.2
Net-(U21B-VINB+): R112.2 R115.2 U21.5
Net-(U21B-VINB-): R113.1 U21.6 U21.7
Net-(Y2-Output): R122.1 R123.1 Y2.3

Pads without a net: IC1 A2 A5 B5 C2 C5; J1 5 6; J2 A8 B8; J3 7; J4 7; J5 17 19; J6 A8 B8; J7 5 6; LCD1 1 14; LED1 1 3; MH1 1; MH2 1; MH3 1; MH4 1; MH5 1; MH6 1; MH7 1; P2 8; P4 8; R184 4A 4B; SW6 4 5; U4 J10 K9 L9 L10; U5 21 22 23 24 36 40 41 43 44 45 46 53 54 55 57 58 59 60; U6 2 6 7 10; U7 10; U8 6 8 16; U10 6 8 16; U11 27 30; U12 6 8 12; U21 8 14; U23 1 3

## Via types
v1: diameter 0.61, hole 0.305, Top to Bottom, 105 vias
v2: diameter 0.406, hole 0.203, Top to Bottom, 1207 vias
v3: diameter 0.6, hole 0.3, Top to Bottom, 16 vias
